# Allegro board MinnowMax_RevA1.brd (continued)
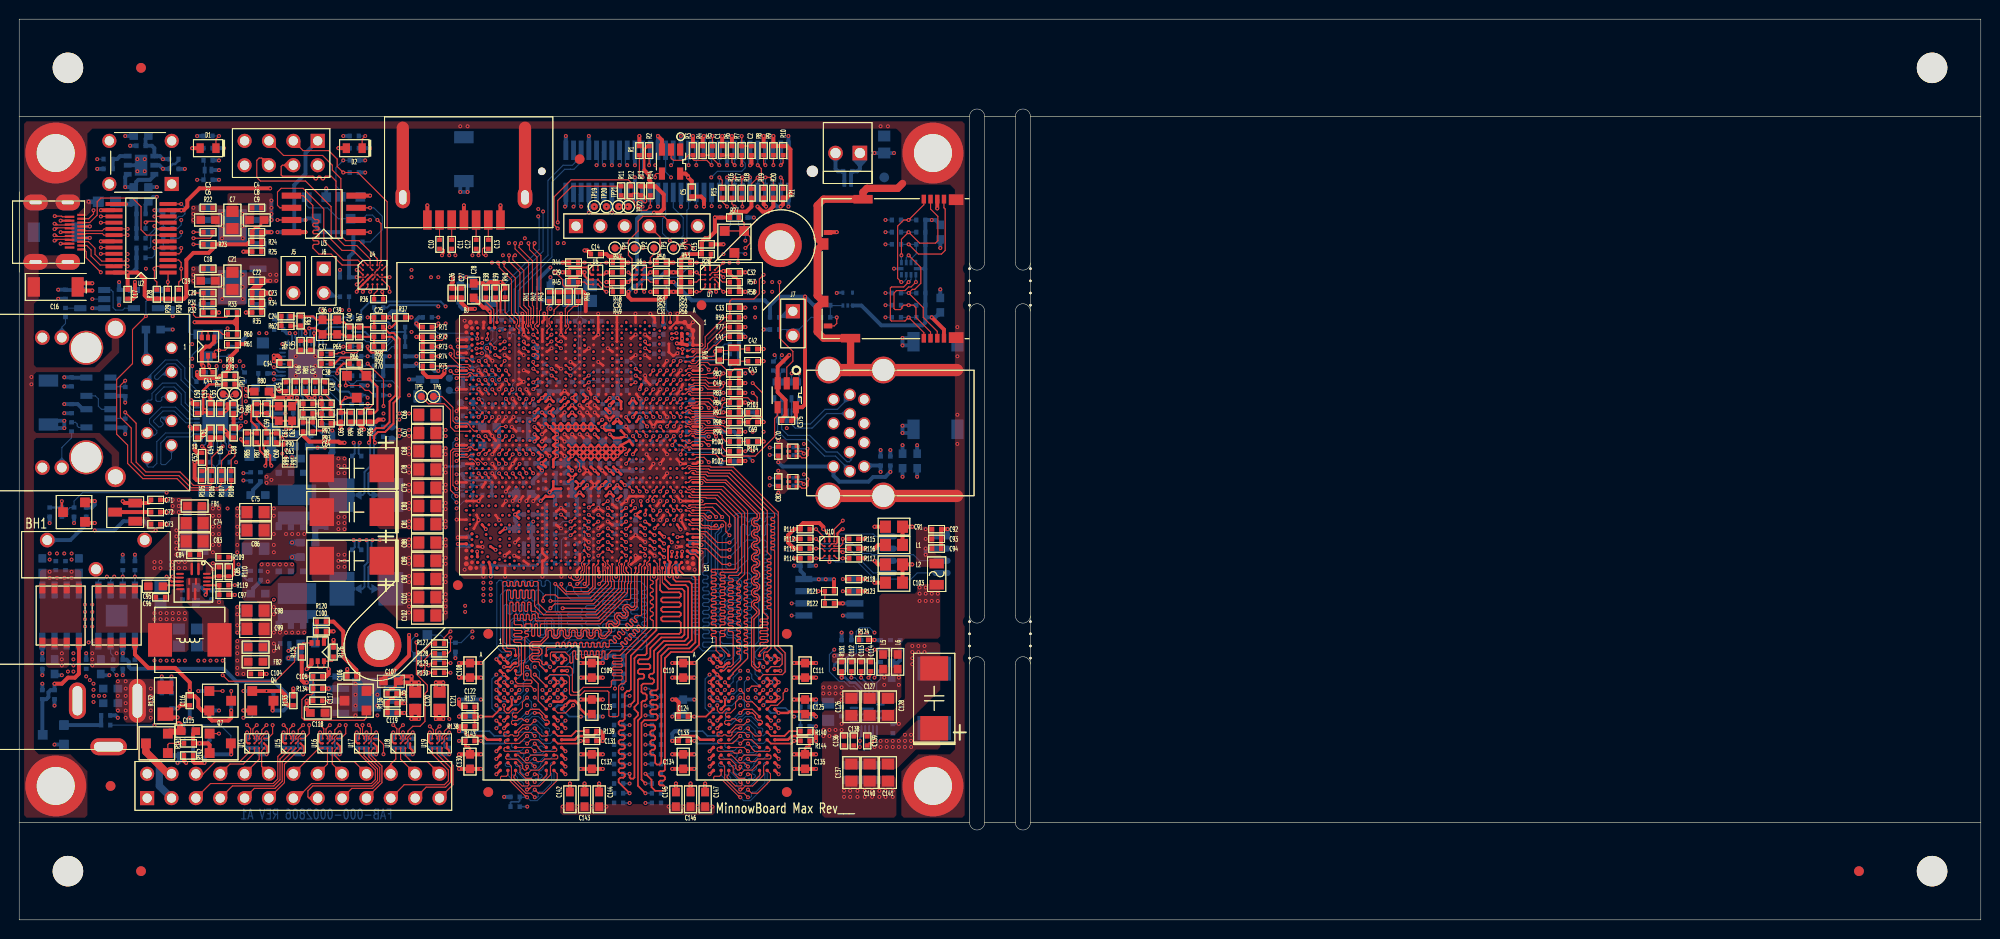
[diagram p0: board, top side]
## Routing (per net, layer and track width the routed paths; a pad name or vN(x,y) marks a point on that pad's centre or on a via; arc(x,y) is an arc through that point) (continued)
+3VSB_EN_L: length 10.5
  TOP w0.406: v1(26.42,21.84) 26.42,22.77 Q4.C
  INT7(H) w0.406: v1(20.83,21.84) 21.46,22.48 25.78,22.48 v1(26.42,21.84)
  BOTTOM w0.406: R321.1 28.1,22.39 27.56,21.84 v1(26.42,21.84) ; Q11.G v1(20.83,21.84)
+5VSB: length 58.9
  TOP w0.406: U2.11 16.89,74.05 v1(16.89,74.04) 17.14,74.04 17.53,74.42 17.53,75.06 18.8,76.33 v1(26.16,76.33) ; R80.2 24.38,55.25 23.75,55.25 v1(23.62,55.37) ; R32.1 v1(20.83,63.37) ; R126.1 v1(32.77,29.21)
  INT4(H) w0.406: v1(16.89,74.04) 17.12,74.04 17.51,74.43 17.51,75.04 18.8,76.33 v1(26.16,76.33)
  PWR5 w0.508: 86.69,79.07 J2.1 ; J2.1 88.57,79.07 ; J2.1 86.69,80.95 ; J2.1 88.57,80.95 ; JP1.3 16.57,12 ; JP1.3 15.18,13.4 ; JP1.3 15.18,12 ; JP1.3 16.57,13.4
  BOTTOM w0.406: C155.2 16.35,74.04 v1(16.89,74.04) ; J10.44 v1(73.78,78.74) ; J10.19 v1(64.18,77.47) ; J10.20 v1(64.18,78.74) ; J10.31 v1(68.98,74.42) ; J10.8 v1(59.38,81.79) ; J10.32 v1(68.98,81.79) ; J2.1 87.63,78.36 87.38,78.1 C153.1 86.71,77.98 D7.P ; J10.43 v1(73.78,77.47) ; J10.7 v1(59.38,73.79)
  BOTTOM w0.762: Q13.D 13.21,17.53 14.61,16.13 14.61,13.97 JP1.3
  vias: v1(4.45,27.81) v1(4.45,27.18) v1(4.45,26.54) v1(22.73,29.08) v1(22.73,28.45) v1(22.73,27.81) v1(22.73,27.05) v1(22.73,26.29) v1(22.73,25.65) v1(23.37,25.65) v1(25.02,61.21) v1(25.78,61.21) v1(26.16,64.77) v1(93.85,34.67) v1(93.85,34.04) v1(93.85,33.27) v1(94.49,34.67) v1(94.49,34.04) v1(94.49,33.27) v1(95.12,34.04) v1(95.12,33.27) v1(95.76,34.04) v1(95.76,33.27)
+5VSB_SW:
  vias: v1(23.62,54.67) v1(23.62,54.1) v1(26.54,42.93) v1(26.54,42.16) v1(26.54,40.26) v1(26.54,39.12) v1(26.54,38.35) v1(26.54,32.64) v1(26.54,31.88) v1(26.54,29.97) v1(26.54,28.83) v1(26.54,28.07) v1(27.18,29.97) v1(27.81,40.26) v1(27.81,29.97) v1(28.45,40.26) v1(28.45,29.97) v1(29.08,40.26) v1(29.08,29.97) v1(29.72,40.26) v1(29.72,29.97)
+10V: length 53.8
  TOP w0.406: R142.2 17.18,16.6 v1(17.4,16.38)
  INT3(V) w0.406: v1(3.68,22.35) 3.05,22.99 3.05,27.43 6.1,30.48 6.1,38.86 v1(7.87,40.64)
  INT7(H) w0.406: v1(3.68,22.35) 3.68,20.07 6.86,16.89 16.89,16.89 v1(17.4,16.38) 17.78,16.76 v1(17.78,21.08)
  BOTTOM w0.254: R340.2 17.18,20.48 v1(17.78,21.08)
  BOTTOM w0.406: R324.2 v1(3.68,22.35) ; v1(7.87,40.64) 9.91,40.64 10.86,41.6 Q9.2 13.01,41.6 13.34,41.27 C284.1 ; R322.2 v1(17.78,21.08)
+V1P0A: length 11.3
  TOP w0.356: v1(68.54,60.15) CPU1.C5 ; CPU1.C5 v1(69.1,60.63) CPU1.C3 ; CPU1.C5 CPU1.B6 ; CPU1.U22 v1(62.34,52.18) CPU1.V22 ; v1(61.56,53.7) CPU1.V18 ; CPU1.Y19 v1(61.54,52.94)
  TOP w0.406: R34.2 C23.2 24.29,65.82 24.51,66.04 25.02,66.04 25.24,66.26 C22.2 v1(26.16,66.67)
  BOTTOM w0.406: v1(61.54,52.94) 61.54,53.69 v1(61.56,53.7) ; v1(61.54,52.94) 60.91,52.94 C217.1 ; v1(61.54,52.94) 62.28,52.94 C215.1 62.34,52.85 v1(62.34,52.18)
  vias: v1(26.16,67.31) v1(26.8,67.31) v1(26.8,66.67)
+V1P0A_ENABLE: length 4.5
  TOP w0.114: v1(18.16,65.41) C20.2 R31.2 R32.2
  BOTTOM w0.114: 19.56,65.41 v1(18.16,65.41)
+V1P0A_FB: length 4.2
  TOP w0.508: R35.1 R34.1 C23.1 v1(26.16,65.41)
  BOTTOM w0.508: 24.89,65.41 v1(26.16,65.41)
+V1P0A_PWRGD: length 35.1
  TOP w0.114: v1(18.16,64.14) 18.16,63.12 18.41,62.86 21.64,62.86 21.75,62.98 R33.2
  INT3(V) w0.102: v1(18.16,64.14) 17.53,64.77 17.53,77.47 16.13,78.87 8.64,78.87 v1(8.13,79.38)
  BOTTOM w0.114: U24.1 v1(18.16,64.14) 17.65,63.63 17.65,61.34 17.91,61.09 D11.1 ; R151.1 v1(8.13,79.38)
+V1P0S: length 59.7
  TOP w0.254: v1(53.71,49.91) CPU1.AN25 v1(53.71,50.67) ; CPU1.AM21 v1(54.5,52.94) ; CPU1.V33 v1(61.56,46.88) CPU1.Y32 ; CPU1.M14 64.79,55.65 v1(64.68,55.36) ; CPU1.U35 v1(63.13,45.36) ; CPU1.AN18 54.12,54.08 v1(54.5,54.46) 54.53,54.49 CPU1.AM16 ; CPU1.AF18 v1(57.64,54.46) CPU1.AF16 ; CPU1.AK19 v1(55.28,52.94) CPU1.AK21 ; CPU1.AG33 v1(57.64,46.12) ; v1(57.64,46.12) CPU1.AG35 ; v1(57.64,46.12) CPU1.AF33 ; CPU1.Y18 v1(61.56,54.46) ; CPU1.BJ6 v1(45.72,59.82) ; CPU1.AK18 v1(55.28,54.46) CPU1.AM18 ; CPU1.AJ18 56.84,54.46 v1(56.85,54.46) ; CPU1.AN21 v1(53.71,52.18) ; v1(62.34,54.46) 62.72,54.08 CPU1.U18 CPU1.U19 ; CPU1.U33 v1(62.36,46.86) 62.34,46.86 CPU1.V32 ; CPU1.AN19 v1(53.71,52.94) ; CPU1.AC32 59.78,47.08 v1(59.99,46.88) CPU1.AA33 ; v1(67.11,63.25) CPU1.G1
  TOP w0.406: v1(40.13,21.59) C119.2 ; R136.2 v1(40.13,22.61) ; R104.2 v1(77.6,49.91) ; v1(44.2,20.95) 44.2,21.59 C121.1 43.43,21.59 v1(43.43,20.95) v1(44.2,20.95) ; 41.66,21.59 C120.1 40.89,21.59 v1(40.89,20.95) v1(41.66,20.95) 41.66,21.59
  BOTTOM w0.254: v1(71.88,50.42) 71.09,50.42 R255.2 ; 37.94,56.81 R224.2 ; v1(64.68,55.36) 64.68,55.63 C193.1
  BOTTOM w0.381: v1(67.11,63.25) 67.15,63.2 C171.1 ; C181.1 45.81,59.72 v1(45.72,59.82)
  BOTTOM w0.406: C182.1 C183.1 C200.1 43.02,57.56 43.31,57.28 v1(43.69,57.28) ; C263.1 57.64,45.59 ; 57.64,45.59 57.64,44.47 R265.1 58.13,43.98 C261.2 C274.1 ; 57.64,45.59 v1(57.64,46.12) ; C202.2 R223.2 ; R223.2 R197.2 v1(38.61,58.8) ; R223.2 37.94,56.81 ; R222.1 v1(40.64,56.39) ; v1(63.13,45.36) 63.43,45.36 C255.1 ; v1(61.56,46.88) 61.57,46.86 v1(62.36,46.86) C254.1 ; v1(61.56,54.46) v1(62.34,54.46) 62.39,54.51 C195.2 C194.1 ; C198.2 C199.1 55.24,54.5 v1(55.28,54.46) v1(54.5,54.46) ; C220.1 55.96,52.94 v1(55.28,52.94) v1(54.5,52.94) v1(53.71,52.94) v1(53.71,52.18) 53.7,52.2 C222.1 C223.1 C245.1 53.46,50.17 v1(53.71,49.91) v1(53.71,50.67)
+V1P8A: length 208.3
  TOP w0.089: 84.45,38.99 U10.B2 ; 72.64,67.56 72.39,67.56 ; 72.01,67.31 U7.B2 ; 85.06,39.24 84.84,39.24 ; 43.57,18.41 43.57,18.42 ; 43.81,18.8 43.81,19.18
  TOP w0.114: 85.14,39.24 85.06,39.24 ; 72.64,67.56 72.77,67.56 72.9,67.69 ; 72.39,67.56 72.26,67.56 72.01,67.31 ; 43.57,18.42 43.81,18.67 43.81,18.8 ; 84.84,39.24 84.7,39.24 84.45,38.99
  TOP w0.152: 85.29,39.39 85.14,39.24
  TOP w0.203: 85.29,39.39 85.29,40.33 85.72,40.77 v1(85.85,40.77) ; 43.81,19.18 v1(43.81,19.56) ; v1(73.41,67.69) 72.9,67.69
  TOP w0.254: R57.1 75.02,66.71 74.68,67.06 74.47,67.06 74.07,67.45 C32.1 ; CPU1.N20 v1(63.97,52.46) ; CPU1.AA18 v1(60,54.46) ; v1(61.56,50.67) CPU1.V25 CPU1.U25 v1(63.26,50.48) CPU1.U24
  TOP w0.406: R1.2 v1(64.64,81.79) ; R133.1 v1(28.57,24.13) ; C32.1 73.95,67.69 v1(73.41,67.69) ; R97.1 R84.1 v1(75.69,53.97) ; U1.5 69.45,77.87 69.72,77.6 v1(69.72,77.47) 70.1,77.09 C5.2 ; v1(79.38,74.42) 79.63,74.68 R21.1 80.04,75.34 80.39,75.69 80.39,80.39 80.04,80.74 R10.1 R9.1 v1(78.61,81.79) ; v1(75.69,65.53) R58.2 R57.1 ; R116.2 v1(88.14,38.73) ; R3.2 v1(70.23,81.79)
  INT3(V) w0.406: v1(88.14,38.73) 86.11,40.77 v1(85.85,40.77) 84.96,41.66 80.64,41.66 76.45,45.85 v1(76.45,47.88) 75.95,48.39 75.44,48.39 75.06,48.77 75.06,53.34 v1(75.69,53.97) 75.06,54.61 75.06,56.39 v1(75.69,57.02) ; v1(63.97,52.46) 63.97,51.19 v1(63.26,50.48) 63.32,50.42 63.33,50.42 63.84,49.91 66.96,49.91 v1(67.53,50.48) ; v1(79.38,74.42) 78.23,73.28 v1(76.58,73.28) 76.58,68.2 76.19,67.81 76.19,66.03 v1(75.69,65.53)
  INT4(H) w0.406: v1(69.72,77.47) 70.99,76.2 77.6,76.2 v1(79.38,74.42)
  INT7(H) w0.406: v1(28.57,24.13) 29.21,23.5 33.53,23.5 34.16,22.86 38.48,22.86 39.24,22.1 44.2,22.1 44.83,21.46 v1(44.83,20.95) ; v1(14.99,79.38) 19.18,79.38 19.81,78.74 21.59,78.74 23.11,77.22 31.11,77.22 v1(32,76.33) 36.45,76.33 41.4,81.28 64.14,81.28 v1(64.64,81.79) 65.15,81.28 69.72,81.28 v1(70.23,81.79) 70.74,81.28 78.11,81.28 v1(78.61,81.79)
  INT8(V) w0.406: v1(75.69,57.02) 75.18,57.53 75.18,65.02 v1(75.69,65.53)
  BOTTOM w0.203: C346.2 44.23,18.89 44.32,18.8 44.32,18.03 44.42,17.94 R334.1
  BOTTOM w0.254: v1(67.53,50.48) 67.53,50.42 R256.2 ; R254.2 75.53,48.39 75.95,48.39 v1(76.45,47.88) ; C236.2 63.91,49.83 v1(63.26,50.48)
  BOTTOM w0.406: R161.2 v1(76.58,73.28) ; v1(79.38,74.42) 78.99,74.42 78.58,74.83 J10.55 ; Q8.S v1(32,76.33) ; R150.2 v1(14.99,79.38) 14.67,79.69 U20.4 14.09,80.53 13.84,80.77 C152.2 13.17,81.5 C151.2 ; 70.58,52.45 R236.2 ; 70.58,52.45 71.15,52.45 71.16,52.46 72.25,52.46 72.64,52.07 72.64,51.56 73.28,50.93 74.55,50.93 75.02,50.45 R253.2 R254.2 ; 70.58,52.45 R237.2 ; R211.1 R210.1 R209.1 v1(75.69,57.02) ; v1(43.81,19.56) C346.2 ; C196.2 60.36,54.81 v1(60,54.46)
+V1P8A_EN: length 2.7
  BOTTOM w0.406: U20.3 10.51,79.69 10.19,79.38 R151.2 C158.2
+V1P8A_FB: length 8.4
  INT4(H) w0.406: v1(14.99,78.36) 12.57,80.77 v1(11.56,80.77)
  BOTTOM w0.254: R153.1 15.65,78.52 16,78.87 16.26,78.87 16.6,79.21 R150.1
  BOTTOM w0.406: C152.1 v1(11.56,80.77) ; U20.5 14.61,78.74 v1(14.99,78.36) R153.1
+V1P8S: length 166.2
  TOP w0.089: U18.B2 39.76,18.42 ; 24.52,18.42 U14.B2 ; 32.38,18.8 32.38,19.18 ; 32.14,18.41 32.14,18.42 ; 28.33,18.41 28.33,18.42 ; 28.57,18.8 28.57,19.18 ; 35.95,18.41 35.95,18.42 ; 36.2,18.8 36.2,19.18 ; 40.01,18.8 40.01,19.18 ; 24.77,19.18 24.77,18.8
  TOP w0.114: 24.77,18.8 24.77,18.67 24.52,18.42 ; 28.33,18.42 28.57,18.67 28.57,18.8 ; 32.14,18.42 32.38,18.67 32.38,18.8 ; 36.2,18.8 36.2,18.67 35.95,18.42 ; 39.76,18.42 40.01,18.67 40.01,18.8
  TOP w0.203: v1(58.93,67.56) 58.93,67.18 59.3,66.81 59.82,66.81 ; v1(24.77,19.56) 24.77,19.18 ; 40.01,19.18 v1(40.01,19.56) ; 36.2,19.18 v1(36.2,19.56) ; 32.38,19.18 v1(32.38,19.56) ; 28.57,19.18 v1(28.57,19.56) ; v1(63.5,66.55) 63.76,66.81 64.39,66.81
  TOP w0.254: C8.2 25.2,72.69 25.2,72.52 24.94,72.26 24.64,72.26 24.29,71.92 C9.2 ; CPU1.AM30 v1(54.45,47.63) CPU1.AM32 ; CPU1.U38 v1(62.34,43.84) ; CPU1.AN32 v1(54.5,46.88) ; R45.1 57.31,66.91 57.45,67.06 58.12,67.06 58.26,67.2 C29.2 ; 65.15,78.23 65.15,80.39 65.5,80.74 R2.2
  TOP w0.406: v1(44.32,57.28) 44.32,57.02 43.94,56.64 42.55,56.64 42.07,57.12 R75.1 ; v1(81.92,65.02) 81.92,53.77 81.63,53.49 U39.5 80.96,52.54 C375.2 ; v1(66.17,73.79) 66.78,73.79 67.18,74.19 67.18,75.69 66.33,76.55 R14.2 ; v1(11.3,67.54) 12.34,67.54 13.08,66.8 13.08,65.15 13.43,64.8 R28.2 R29.2 R30.2 17.18,64.8 17.42,65.05 17.42,68.86 18.16,69.6 19.75,69.6 20.16,70 R23.1 23.75,70.48 24,70.74 R24.1 C9.2 ; v1(11.3,67.54) U2.24 ; v1(11.3,67.54) C17.2 ; R20.1 78.61,74.45 78.07,73.9 77.48,73.9 v1(76.96,74.42) ; 65.15,78.23 65.66,77.72 65.66,77.22 65.79,77.09 R14.2 ; R49.1 C30.2 v1(63.5,66.55) ; R14.2 R13.2 ; R71.2 41.78,61.85 v1(41.4,62.23) ; R6.2 v1(74.3,81.79) ; R52.2 v1(68.2,66.55) ; C29.2 v1(58.93,67.56)
  INT4(H) w0.406: v1(76.96,74.42) 76.33,73.79 v1(66.17,73.79)
  INT8(V) w0.406: v1(74.3,81.79) 75.82,80.26 78.74,80.26 80.01,78.99 80.01,77.09 79.12,76.2 78.74,76.2 v1(76.96,74.42)
  BOTTOM w0.203: R335.1 40.61,17.94 40.51,18.03 40.51,18.8 40.42,18.89 C348.2 ; C352.2 32.8,18.89 32.89,18.8 32.89,18.03 32.99,17.94 R337.1 ; R336.1 36.8,17.94 36.7,18.03 36.7,18.8 36.61,18.89 C350.2 ; R338.1 29.18,17.94 29.08,18.03 29.08,18.8 28.99,18.89 C354.2 ; R339.1 25.37,17.94 25.27,18.03 25.27,18.8 25.18,18.89 C356.2
  BOTTOM w0.254: v1(62.34,43.84) 62.76,43.43 62.76,41.42 62.58,41.24 C273.2 ; v1(44.32,57.28) 44.83,57.78 46.01,57.78 R219.1 ; v1(45.59,46.48) R268.2 46.26,46.1 46.52,45.85 49.15,45.85 49.24,45.75 R266.2 R267.2
  BOTTOM w0.406: v1(26.29,75.06) v1(26.29,74.3) v1(26.29,73.66) 26.29,73.04 v1(26.3,73.03) ; R206.2 22.57,59.78 23.62,60.83 v1(23.62,61.21) ; 78.27,64.1 79.19,65.02 v1(81.92,65.02) 82.8,64.14 R182.1 ; 78.27,64.1 R183.1 ; 78.27,64.1 77.72,64.64 70.1,64.64 v1(68.2,66.55) ; 54.46,47.62 C242.2 ; 54.46,47.62 v1(54.45,47.63) 53.82,47.63 C244.2 ; 54.46,47.62 54.46,46.92 v1(54.5,46.88) 54.5,46.8 53.56,45.86 C266.2 ; v1(32.38,19.56) C352.2 ; v1(11.3,67.54) 11.79,67.54 12.23,67.98 R172.1 R171.1 ; R71.2 41.66,61.85 41.4,62.1 v1(41.4,62.23) 41.4,62.61 41.66,62.86 R190.2 ; v1(24.77,19.56) C356.2 ; R49.1 62.83,66.14 63.24,66.55 v1(63.5,66.55) 64.39,67.44 64.39,73.15 65.02,73.79 v1(66.17,73.79) ; v1(36.2,19.56) C350.2 ; v1(28.57,19.56) C354.2 ; v1(40.01,19.56) C348.2
  BOTTOM w0.508: v1(26.3,73.03) U21.6
+V1P8S_EN: length 2.4
  TOP w0.114: v1(18.16,71.75) R22.2
  BOTTOM w0.114: U21.2 v1(18.16,71.75)
+V1P8S_FB: length 4.5
  TOP w0.406: R25.2 R24.2 C9.1 v1(26.29,71.75)
  BOTTOM w0.508: U21.7 v1(26.29,71.75)
+V1P8S_PGD: length 2.4
  TOP w0.114: R23.2 v1(18.16,70.48)
  BOTTOM w0.114: U21.1 v1(18.16,70.48)
+V1P35S: length 38.3
  TOP w0.406: v1(40.64,29.72) 40.64,27.56 38.68,25.6 38.4,25.6 37.97,25.18 C107.2 ; R120.1 32.77,31.11 33.78,30.1 33.78,27.43 35.15,26.07 C106.2
  INT4(H) w0.406: v1(55.37,67.06) 51.31,67.06 50.93,67.44 49.4,67.44 49.02,67.06 v1(46.61,67.06) v1(45.97,67.06)
  INT7(H) w0.406: v1(55.37,67.06) v1(46.61,67.06) v1(45.97,67.06)
  BOTTOM w0.406: FB3.1 v1(55.37,67.06) ; FB5.1 v1(45.97,67.06) v1(46.61,67.06) 47.37,67.06 47.5,66.93 FB4.1 FB5.1
+VBAT: length 15.7
  INT7(H) w0.406: BH1.1 BH1.2
  BOTTOM w0.406: BH1.2 5.33,39.62 6.99,41.27 R278.1
+VBAT_R: length 2.5
  TOP w0.406: v1(7.87,43.69) 6.99,43.69 D5.2
  BOTTOM w0.406: R278.2 7.59,43.02 7.87,43.31 v1(7.87,43.69)
+VCC: length 96.8
  TOP w0.406: R125.1 29.46,26.94 29.45,26.92 29.45,24.99 29.68,24.77 v1(29.97,24.77) ; D2.2 v1(33.27,80.52)
  INT8(V) w0.635: v1(33.27,80.52) 33.91,79.88 37.72,79.88 38.61,78.99 38.61,68.83 39.24,68.2 39.24,55.37 v1(38.61,54.74) 37.85,54.74 37.08,53.97 37.08,51.44 38.48,50.04 38.48,34.8 34.29,30.61 34.29,27.18 31.88,24.77 v1(29.97,24.77) v1(29.97,24.13) 28.7,22.86 23.37,22.86 22.73,22.23 22.73,20.19 20.07,17.53 17.65,17.53 v1(16.51,16.38)
  BOTTOM w0.254: R226.2 v1(38.61,54.74)
  BOTTOM w0.406: R319.2 v1(29.97,24.13) ; R319.2 R320.2 ; R319.2 30.64,24.6 30.48,24.77 v1(29.97,24.77) ; C149.1 v1(33.27,80.52)
  BOTTOM w0.508: v1(16.51,16.38) 16.69,16.56 16.69,16.94 C367.2 15.75,17.14 Q13.S
+VCC3: length 249.5
  TOP w0.406: R121.2 v1(84.93,35.53) ; v1(23.62,60.07) R61.1 22.7,59.44 21.97,58.71 21.97,57.53 21.5,57.06 R78.2 20.95,56.77 20.7,56.52 18.8,56.52 18.54,56.79 v1(18.54,57.15) ; R47.2 62.83,68.94 62.56,69.22 61.47,69.22 61.21,69.47 C14.2 ; R47.2 R48.2 ; R47.2 v1(63.5,68.58) ; v1(95.12,62.86) 96.4,61.59 P2.4 ; v1(37.97,52.2) 37.43,52.2 37.21,51.98 R96.2 R95.2 ; R95.2 35.56,51.56 v1(35.94,51.18) ; R95.2 R94.2 ; R44.2 v1(56.64,68.58)
  TOP w0.635: v1(16.64,20.45) 16.76,20.32 16.76,19.81 C115.2 16.84,19.63 15.7,19.63 Q6.S
  INT3(V) w0.635: v1(16.64,20.45) 16.76,20.45 17.17,20.85 17.17,24.92 17.91,25.65 17.91,46.61 17.65,46.86 17.65,50.17 18.54,51.05 v1(18.54,57.15)
  INT7(H) w0.508: v1(23.62,60.07) 24.13,60.58 26.91,60.58 27.04,60.71 27.81,60.71 27.94,60.58 31.37,60.58 32.26,61.47 37.72,61.47 38.1,61.09 40.13,61.09 40.39,61.34 v1(40.89,61.34)
  INT7(H) w0.635: v1(35.94,51.18) 36.96,52.2 v1(37.97,52.2) v1(37.97,52.83) 38.6,52.83 39.36,53.59 43.7,53.59 44.97,52.32 v1(45.59,52.32) ; v1(95.12,73.03) 94.49,72.39 81.53,72.39 80.77,73.15 77.72,73.15 76.96,72.39 73.66,72.39 70.61,69.34 64.88,69.34 64.12,68.58 v1(63.5,68.58) 62.36,68.58 61.72,69.22 57.28,69.22 v1(56.64,68.58) 56.2,69.02 54.42,69.02 53.21,67.82 v1(40.89,67.82) v1(40.89,67.06)
  INT8(V) w0.635: v1(95.12,73.03) v1(95.12,62.86) 95.12,37.59 93.73,36.2 85.6,36.2 v1(84.93,35.53) v1(84.07,35.53) v1(83.35,35.53) ; v1(37.97,52.2) v1(37.97,52.83) 38.6,52.83 40.01,54.24 40.01,60.45 v1(40.89,61.34) 40.01,62.23 40.01,66.17 v1(40.89,67.06) v1(40.89,67.82)
  BOTTOM w0.254: U22.10 94.45,67.94
  BOTTOM w0.406: U23.1 87.8,64.09 89.86,62.04 94.17,62.04 94.45,62.32 R180.2 ; R180.2 v1(95.12,62.86) 95.5,62.86 C162.2 ; R180.2 R174.2 R173.2 R157.2 R156.2 R155.2 v1(95.12,73.03) 95.5,73.03 C159.2 ; R231.1 18.58,57.12 v1(18.54,57.15) ; v1(80.77,36.96) C287.2 81.44,36.42 81.79,36.07 U33.8 81.82,35.53 v1(83.35,35.53) v1(84.07,35.53) v1(84.93,35.53) ; FB7.1 47.88,51.82 45.97,51.82 45.59,52.2 v1(45.59,52.32)
+VCC3S: length 4.5
  TOP w0.254: CPU1.AN27 v1(54.5,49.15) CPU1.AM27 ; CPU1.AN24 v1(53.71,51.43)
  BOTTOM w0.406: FB7.2 50.03,51.19 50.03,50.49 v1(50.02,50.48) 50.03,50.48 50.03,49.78 C247.2 ; v1(54.5,49.15) 54.59,49.06 C243.2
AVDDREG: length 1
  BOTTOM w0.203: LAN1.23 23.26,51.07 23.37,51.18
GND: length 845.6
  TOP w0.089: 38.1,67.06 37.59,67.06 37.34,67.31 U4.C4
  TOP w0.203: U16.D2 33.48,18.07 33.48,17.35 v1(33.4,17.27) ; R40.2 50.57,65.91 50.16,65.5 50.16,63.37 ; P1.10 v1(4.32,71.75) ; v1(38.61,67.06) 38.1,67.06 ; U17.D2 37.29,18.07 37.29,17.35 v1(37.21,17.27) ; U10.D2 v1(84.45,37.34) ; v1(35.18,65.53) 35.18,65.66 U4.E1 U4.D2 U4.C3 ; U14.D2 25.86,18.07 25.86,17.35 v1(25.78,17.27) ; U15.D2 29.67,18.07 29.67,17.35 v1(29.59,17.27) ; 5.25,70.56 v1(4.32,70.56) ; CPU1.E1 68.46,62.34 CPU1.F2 ; U19.D2 U19.D1 44.83,17.65 v1(44.83,17.27) ; v1(63.5,67.56) 63.76,67.31 64.39,67.31 ; P1.7 v1(7.37,71.16) ; v1(41.02,17.27) 41.02,17.65 U18.D1 U18.D2 ; v1(62.23,35.81) 62.31,35.89 CPU1.U53 ; v1(72.76,26.39) 73.38,26.39 73.78,26.79 MEM2.B3 ; P1.16 v1(4.32,72.95) ; v1(50.54,26.39) 51.16,26.39 51.55,26.79 MEM1.B3 ; 59.82,67.31 59.64,67.31 59.44,67.51 59.44,67.82 59.18,68.07 57.4,68.07 57.31,67.98 C29.1 ; P1.13 v1(7.37,72.35) ; U7.D2 v1(72.01,65.53)
  TOP w0.254: MEM2.F9 78.77,23.59 v1(79.17,23.19) MEM2.G9 78.73,22.76 78,22.76 MEM2.G8 ; MEM1.J2 v1(50.54,20.79) ; MEM1.E2 v1(50.54,24.79) ; CPU1.F5 CPU1.F7 CPU1.E8 v1(68.61,59.12) ; CPU1.B2 v1(70.23,62.36) ; CPU1.B2 CPU1.C1 CPU1.E1 v1(68.61,63.25) ; CPU1.B2 CPU1.A3 CPU1.A5 CPU1.A6 v1(71.12,59.99) ; v1(71.12,55.37) CPU1.A15 ; CPU1.AD7 58.9,59.28 v1(59.37,59.64) ; MEM1.M9 57.91,18.79 58.29,19.18 59.82,19.18 60.16,19.52 R139.2 ; CPU1.AN3 CPU1.AN5 ; CPU1.AT4 v1(52.59,61.06) CPU1.AU3 52.49,61.7 52.49,62.24 CPU1.AU1 52.5,62.43 52.5,63.2 v1(52.45,63.25) ; v1(58.42,53.7) CPU1.AD19 ; MEM1.P9 v1(56.94,16.79) ; v1(51.69,39.37) CPU1.AV47 ; CPU1.F24 CPU1.D24 v1(68.95,51.47) ; v1(56.85,48.39) CPU1.AJ29 ; v1(56.48,40.84) 56.18,41.05 CPU1.AK44 ; MEM2.B9 v1(79.17,27.19) 79.16,27.19 MEM2.A9 ; v1(56.52,35.81) CPU1.AJ53 ; MEM2.P9 78.77,17.19 v1(79.17,16.79) ; CPU1.N51 CPU1.M51 v1(64.25,38) CPU1.N51 ; CPU1.N51 63.77,37.1 CPU1.P52 ; CPU1.AA53 60.36,36.41 60.45,36.32 v1(60.45,35.81) ; v1(67.53,46.6) 67.33,46.34 CPU1.G34 ; v1(56.85,49.15) CPU1.AJ27 ; v1(71.12,43.69) CPU1.A39 CPU1.C39 v1(68.95,43.7) CPU1.D38 ; CPU1.K32 v1(66.11,47.59) ; CPU1.AY9 v1(50.61,58.93) ; CPU1.BF38 v1(47.89,43.7) CPU1.BG39 CPU1.BJ39 ; MEM2.T1 72.36,15.59 v1(71.96,15.19) ; CPU1.BJ23 45.63,51.47 v1(45.59,51.44) ; CPU1.G30 67.08,47.96 v1(66.82,47.59) ; v1(71.12,57.4) 71.02,57.3 CPU1.A11 ; CPU1.AC33 v1(59.2,46.88) ; v1(59.2,46.88) CPU1.AD33 ; v1(59.2,46.88) CPU1.AD32 ; CPU1.G20 v1(67.53,52.46) ; CPU1.BJ5 v1(45.72,60.53) ; v1(49.74,16.79) MEM1.P1 ; CPU1.AM24 v1(54.5,50.67) ; MEM1.E1 v1(49.74,24.79) 50.14,25.19 MEM1.D1 ; CPU1.D16 v1(68.95,55.36) CPU1.C14 ; v1(71.12,49.53) CPU1.A27 ; CPU1.AT38 v1(52.87,43.7) ; CPU1.A47 70.24,39.9 v1(71.12,39.9) ; CPU1.G42 66.99,41.97 v1(66.82,41.72) ; CPU1.D12 68.74,57.07 v1(68.95,57.34) ; v1(71.12,45.59) 71.06,45.64 CPU1.A35 ; MEM1.E8 v1(56.14,24.79) 55.74,25.19 MEM1.D8 ; v1(45.72,59.11) 45.77,59.16 CPU1.BJ7 ; CPU1.AN1 54.53,62.41 54.74,62.61 v1(54.74,63.25) ; MEM1.F9 v1(56.94,23.19) MEM1.G9 56.51,22.76 55.77,22.76 MEM1.G8 ; CPU1.J1 66.24,62.78 v1(65.79,63.25) ; CPU1.BA22 v1(50.73,52.46) ; CPU1.BE35 CPU1.BF36 ; v1(58.14,35.81) 58.14,36.44 CPU1.AE53 ; CPU1.K14 CPU1.L13 v1(65.24,56.79) ; MEM1.M1 48.77,18.79 48.39,19.18 46.77,19.18 46.52,19.43 R138.1 ; CPU1.AT16 v1(52.87,55.36) ; v1(47.89,57.34) CPU1.BF12 ; MEM2.M1 71,18.79 70.61,19.18 69.09,19.18 68.74,18.83 C133.2 ; CPU1.D30 v1(68.95,47.59) CPU1.C31 ; MEM1.B1 v1(49.74,27.19) ; v1(68.58,35.81) CPU1.E53 ; CPU1.P47 v1(64.25,40.13) CPU1.M47 v1(65.24,39.42) ; CPU1.Y21 v1(61.56,52.18) CPU1.V21 ; CPU1.AV18 v1(51.45,54.37) ; CPU1.BC22 v1(50.02,52.46) ; CPU1.V7 v1(61.35,59.64) ; C107.1 39.24,24.64 39.24,24.38 38.99,24.13 38.74,24.13 38.39,23.78 R135.1 ; CPU1.BC34 v1(49.31,46.6) ; CPU1.BF16 v1(47.89,55.36) ; CPU1.AM25 v1(54.5,49.91) ; v1(19.35,53.17) 19.18,53.34 19.18,55.24 19.81,55.88 R79.2 ; CPU1.BG45 47.42,40.88 v1(47.89,41.72) CPU1.BG42 ; CPU1.BE8 48.67,58.85 48.81,58.85 v1(49.32,58.33) ; CPU1.AK41 55.98,42.62 v1(56.48,42.98) CPU1.AH41 ; v1(60.36,40.84) 60.66,41.06 CPU1.Y44 ; v1(72.76,20.79) 72.77,20.79 MEM2.J2 ; CPU1.BE53 48.4,36.68 v1(48.39,35.81) ; CPU1.AV24 v1(51.36,51.43) ; v1(64.25,61.06) CPU1.P4 ; CPU1.AG25 v1(56.85,50.67) ; CPU1.K50 v1(66.23,38) ; CPU1.AV30 v1(51.45,47.59) 51.09,47.09 CPU1.AY32 ; MEM2.M9 80.13,18.79 80.52,19.18 82.04,19.18 82.39,19.52 R140.2 ; CPU1.AN22 v1(54.5,51.43) ; v1(56.49,63.25) CPU1.AJ1 CPU1.AJ3 v1(56.48,61.06) CPU1.AH4 ; MEM2.E8 v1(78.37,24.79) MEM2.D8 ; CPU1.BA53 v1(50.65,35.81) ; CPU1.AJ16 v1(56.85,55.22) CPU1.AG16 ; v1(52.59,57.34) CPU1.AT12 ; v1(65.24,61.06) CPU1.K4 ; v1(71.12,53.42) CPU1.A19 ; CPU1.BJ27 v1(45.59,49.53) ; CPU1.AV13 v1(52.58,56.13) CPU1.AV14 ; CPU1.Y10 v1(60.36,58.22) ; CPU1.AJ21 v1(56.85,52.94) ; CPU1.BG31 CPU1.BJ31 ; CPU1.G28 v1(67.53,48.58) ; MEM2.E1 v1(71.96,24.79) 72.36,25.19 MEM2.D1 ; CPU1.AA21 v1(59.99,52.94) ; v1(60.35,63.25) CPU1.AA1 CPU1.AA3 v1(60.36,61.06) CPU1.AB4 ; CPU1.BC32 v1(49.31,47.59) ; CPU1.AV38 v1(51.45,43.7) ; v1(45.59,53.09) 45.92,53.42 CPU1.BJ19 ; CPU1.AV51 v1(51.6,38) ; CPU1.AF25 v1(57.64,50.67) ; CPU1.AD21 v1(58.42,52.94) ; MEM1.A9 56.54,27.59 v1(56.94,27.19) MEM1.B9 ; v1(45.59,57.3) CPU1.BJ11 ; CPU1.AN49 54.53,38.71 54.53,38.29 CPU1.AM51 54.68,37.46 CPU1.AN51 CPU1.AN53 v1(54.53,35.81) ; v1(68.54,38.91) 68.6,38.91 68.84,38.93 CPU1.C49 ; CPU1.C45 v1(68.95,41.72) CPU1.C42 ; v1(66.82,43.7) 66.62,43.42 CPU1.J40 ; CPU1.BJ43 v1(45.59,41.76) ; v1(71.12,47.75) 70.74,47.75 70.57,47.59 CPU1.A31 ; CPU1.AK10 v1(56.48,57.5) ; CPU1.BJ15 v1(45.62,55.35) ; CPU1.V40 CPU1.U40 ; MEM2.B1 v1(71.96,27.19) ; CPU1.AT52 CPU1.AU51 ; CPU1.BJ35 v1(45.59,45.64) ; CPU1.T40 v1(63.26,43.69) CPU1.P38 CPU1.N38 CPU1.M38 ; CPU1.BC42 v1(50.02,41.72) ; MEM1.T9 v1(56.94,15.19) ; v1(59.99,53.7) CPU1.AA19 ; CPU1.BA40 v1(50.73,43.7) ; CPU1.AA32 v1(60.77,46.88) CPU1.Y33 ; CPU1.J16 v1(66.82,55.36) ; v1(79.17,15.19) 78.77,15.59 MEM2.T9 ; CPU1.AV7 v1(52.59,58.93) ; CPU1.BC26 v1(49.31,50.48) CPU1.BD24 CPU1.BF24 ; v1(62.31,63.25) CPU1.U1 CPU1.U3 CPU1.U5 ; CPU1.AD25 v1(58.42,50.67) ; CPU1.AU38 v1(52.16,43.7) ; CPU1.A49 70.56,38.54 70.74,38.35 v1(71.12,38.35) ; CPU1.K9 v1(65.24,58.93) ; MEM2.P1 72.36,17.19 v1(71.96,16.79) ; v1(49.31,48.58) 49.54,48.89 49.67,49.05 CPU1.BC28 CPU1.BB27 ; CPU1.P9 v1(64.25,58.93) ; CPU1.AC35 v1(59.99,45.36) ; v1(59.99,45.36) CPU1.AA35 ; v1(59.99,45.36) CPU1.AC36 ; CPU1.G10 v1(67.52,58.33) ; CPU1.J53 v1(66.17,35.81) ; MEM2.G1 v1(71.96,23.19) ; CPU1.AM7 v1(55.49,59.64) ; CPU1.P24 v1(63.26,51.47) ; CPU1.N1 v1(64.24,63.25) ; v1(71.12,51.46) CPU1.A23 ; CPU1.AC16 v1(59.37,55.37) ; v1(49.74,15.19) MEM1.T1 ; CPU1.AD47 58.9,39.78 v1(59.37,39.42) ; MEM1.J8 v1(56.14,20.79) ; CPU1.V44 v1(61.35,41.56) ; v1(71.12,41.76) CPU1.A43 ; CPU1.K30 v1(65.39,48.58) ; CPU1.BG49 v1(48.3,38.91) ; CPU1.BE1 CPU1.BE2 ; CPU1.BJ47 v1(45.72,39.9) ; CPU1.N16 v1(64.68,54.37) ; CPU1.AY50 50.9,38.23 v1(50.61,38) ; MEM2.J8 v1(78.37,20.79) ; CPU1.AC25 v1(59.2,50.67) ; CPU1.K22 v1(66.11,51.47) CPU1.J22 CPU1.G22 ; CPU1.AF10 v1(57.47,58.22) ; CPU1.Y41 60.86,42.62 v1(60.36,42.98) 60.09,42.78 CPU1.AB41 ; MEM2.E2 v1(72.76,24.79) ; CPU1.AY36 v1(50.73,44.69) ; CPU1.AN38 v1(53.58,43.69) ; CPU1.AC18 v1(59.2,53.7) CPU1.AC19 ; v1(55.28,53.7) CPU1.AM19 ; v1(56.85,49.91) CPU1.AJ25 ; CPU1.BA14 v1(50.02,55.36) ; CPU1.AC21 v1(59.2,52.94) ; CPU1.AM29 v1(55.28,48.39) ; CPU1.AE50 CPU1.AE51 ; MEM1.G1 v1(49.74,23.19) ; CPU1.AY22 v1(51.52,52.46)
  TOP w0.406: R122.2 v1(85.85,33.02) ; 90.3,41.02 v1(89.15,41.02) ; Q4.E v1(23.37,21.84) ; v1(80.77,22.99) C125.2 v1(83.06,22.99) ; v1(80.77,15.75) C135.2 v1(83.06,15.75) ; R74.1 R73.1 R72.2 v1(41.4,60.83) ; C122.2 46.1,22.23 45.85,22.48 v1(45.85,22.99) ; R41.1 R42.1 R43.2 R46.2 58.83,65.5 59.05,65.28 59.05,63.5 ; C42.1 v1(77.6,59.56) ; v1(7.62,65.66) 6.48,65.66 C16.1 6.48,66.42 v1(7.62,66.42) ; Q3.1 31.77,29.35 31.97,29.56 C100.1 v1(32.77,30.1) ; C31.1 v1(65.79,65.53) ; v1(66.58,81.79) 67,81.37 U1.3 ; C51.2 18.96,50.33 19.18,50.55 19.18,50.8 v1(19.35,50.97) 19.65,51.27 C54.2 ; C30.1 v1(61.21,66.55) ; P2.9 84.34,71.75 v1(85.22,71.75) ; v1(58.55,26.8) C109.2 v1(60.83,26.8) ; R139.2 60.58,19.69 60.83,19.43 v1(60.83,18.67) C131.2 ; C97.2 v1(22.48,33.91) ; C15.1 v1(73.41,70.48) ; R112.2 v1(80.77,39.75) ; J3.1 v1(42.55,74.55) ; C142.2 v1(57.4,14.22) ; v1(40.89,24.77) v1(40.89,25.4) 40.01,25.4 C107.1 39.62,24.77 v1(40.89,24.77) ; v1(40.89,24.77) v1(41.66,24.77) 41.66,24.13 C120.2 40.89,24.13 v1(40.89,24.77) ; v1(48.13,15.75) C130.2 v1(45.85,15.75) ; v1(68.07,26.8) C110.2 v1(70.36,26.8) ; R82.2 C49.2 v1(75.69,56.01) ; C105.1 32,25.4 32.26,25.65 v1(32.26,26.16) ; C25.1 v1(38.61,62.86) ; v1(58.55,22.99) C123.2 v1(60.83,22.99) ; C58.2 21.94,50.33 21.72,50.55 21.72,50.8 v1(21.54,50.97) 21.24,51.27 C56.2 ; C33.2 v1(75.69,63.88) ; v1(29.97,26.16) 30.46,26.65 Q3.4 ; C27.1 C26.1 45.09,66.42 45.21,66.55 v1(45.21,67.06) ; 49.66,66.55 v1(50.16,66.55) 50.24,66.55 50.65,66.14 R40.2 ; 49.66,66.55 49.05,66.55 48.64,66.14 ; 49.66,66.55 R39.2 ; v1(68.07,15.75) C134.2 v1(70.36,15.75) ; C32.2 v1(75.69,67.56) ; R118.1 v1(88.39,35.56) ; C28.1 48.36,66.42 48.64,66.14 ; C144.2 v1(60.45,14.22) ; P2.6 v1(95.7,74.23) ; C44.1 19.21,57.75 v1(19.18,57.78) 19.03,57.93 Q1.1 19.03,59.41 19.44,59.82 19.84,59.82 20.34,60.31 Q1.4 ; v1(80.77,26.8) C111.2 v1(83.06,26.8) ; J3.7 v1(50.16,74.55) ; v1(83.06,18.67) 83.06,19.43 82.8,19.69 R140.2 ; C57.2 21.72,53.81 21.72,53.34 v1(21.54,53.17) 21.24,52.87 C55.2 ; R25.1 v1(23.37,69.72) ; C375.1 79.54,52.29 79.88,52.64 79.88,54.23 79.06,55.05 U39.3 79.06,57.72 v1(80.26,58.93) ; C146.2 v1(69.98,14.22) ; 48.64,66.14 R38.2 ; C73.2 v1(15.37,41.27) ; v1(33.53,51.18) C65.1 33.37,51.82 C64.2 ; v1(71.38,74.43) 71.37,74.43 71.37,75.18 71.09,75.47 C5.1 ; C104.1 v1(25.78,25.65) ; v1(68.07,22.99) 68.45,22.99 68.74,22.7 C124.2 ; J3.4 v1(46.35,74.55) ; C133.2 v1(68.07,18.67) ; C14.1 59.22,69.85 v1(58.93,69.85) ; C50.2 19.05,52.87 v1(19.35,53.17) 19.65,52.87 C53.2 ; U3.4 v1(36.58,75.56) ; 90.3,35.18 v1(89.15,35.18) ; R123.1 v1(88.39,34.29) ; C69.1 v1(77.6,51.94) ; C29.1 v1(56.64,67.56) ; v1(71.37,81.79) 71.37,81.78 71.25,81.65 R4.1 ; C143.2 v1(58.93,14.22) ; v1(45.85,26.8) C108.2 v1(48.13,26.8) ; C41.2 v1(75.69,60.83) ; R8.1 v1(77.6,81.79) ; R114.2 v1(80.77,37.72) ; v1(45.85,19.69) 45.85,20.07 45.97,20.19 R138.1 ; U2.19 v1(8.51,70.79) ; C43.1 v1(77.6,58.29) ; R115.1 v1(88.14,39.75) ; U2.14 v1(8.51,74.05) ; C118.2 29.97,21.97 v1(29.97,22.33) v1(29.97,22.86) C117.2 ; C106.1 v1(34.2,26.16) ; R19.1 77.6,74.68 v1(77.85,74.42) ; C60.1 27.03,49.58 27.61,49.58 v1(27.81,49.78) ; R105.1 18.51,45.88 18.29,46.1 v1(18.29,47.75) 18.32,47.79 C52.2 ; v1(96.77,40.77) C92.1 C93.1 C94.1 ; Q7.S 19.85,18.25 19.68,18.41 v1(18.8,18.41) R141.1 18.13,19.4 C115.1 ; R35.2 v1(23.62,63.37) ; C1.2 v1(73.28,81.79) ; C145.2 v1(68.45,14.22) ; v1(58.55,15.75) C132.2 v1(60.83,15.75) ; C17.1 11.84,64.8 12.06,65.02 v1(12.06,66.55) ; C116.1 16.83,22.39 v1(16.51,22.06) ; U2.6 v1(14.1,70.79) ; R50.1 v1(68.2,68.58) ; R77.1 v1(75.69,61.85) ; C147.2 v1(71.5,14.22) ; v1(76.18,78.74) 76.33,78.89 C2.1 ; C71.2 v1(15.37,43.81) ; R117.1 v1(88.14,37.72) ; R102.1 v1(75.69,47.88) ; 44.2,24.13 C121.2 43.43,24.13 v1(43.43,24.77) v1(44.2,24.77) 44.2,24.13